# Altium PCB PCB_3U_ADC.PCBDOC (part 1 of 5)
Units mil, origin at the board's own origin, x right, y up, seen from the top; angles counter-clockwise.
Board outline 6299 x 3937 mil, 4 copper layers (Top, MP(GND), L3, Bot), stack 64.881 mil thick; 530 components, 318 nets, 1631 pads, 746 vias.
Unrouted connection lines stored in the file: 1.
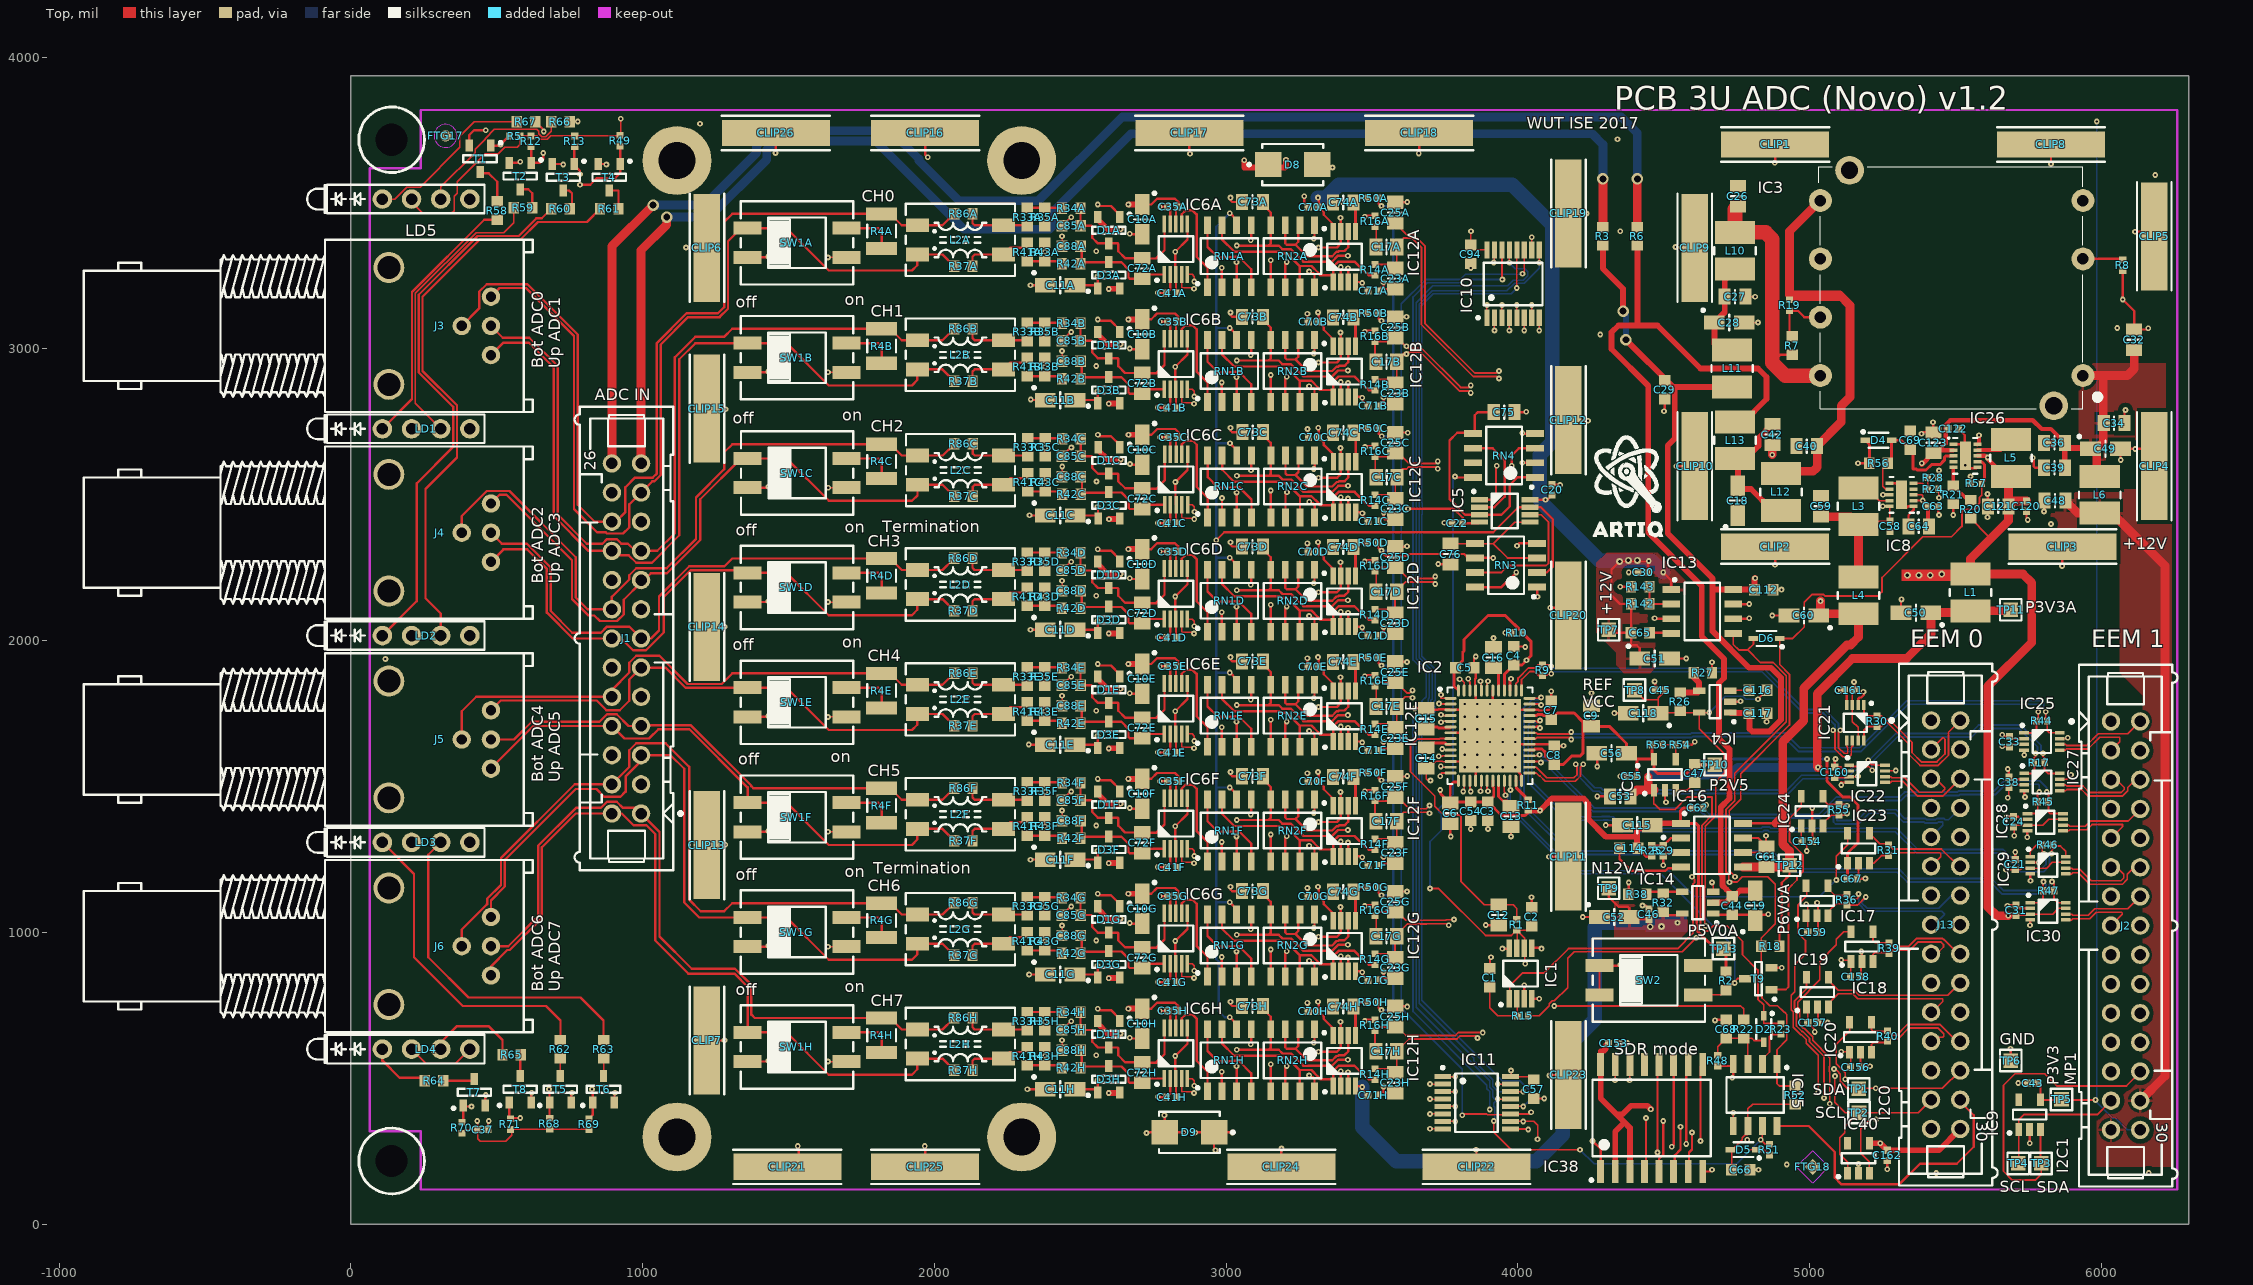
[diagram p0: Top view]
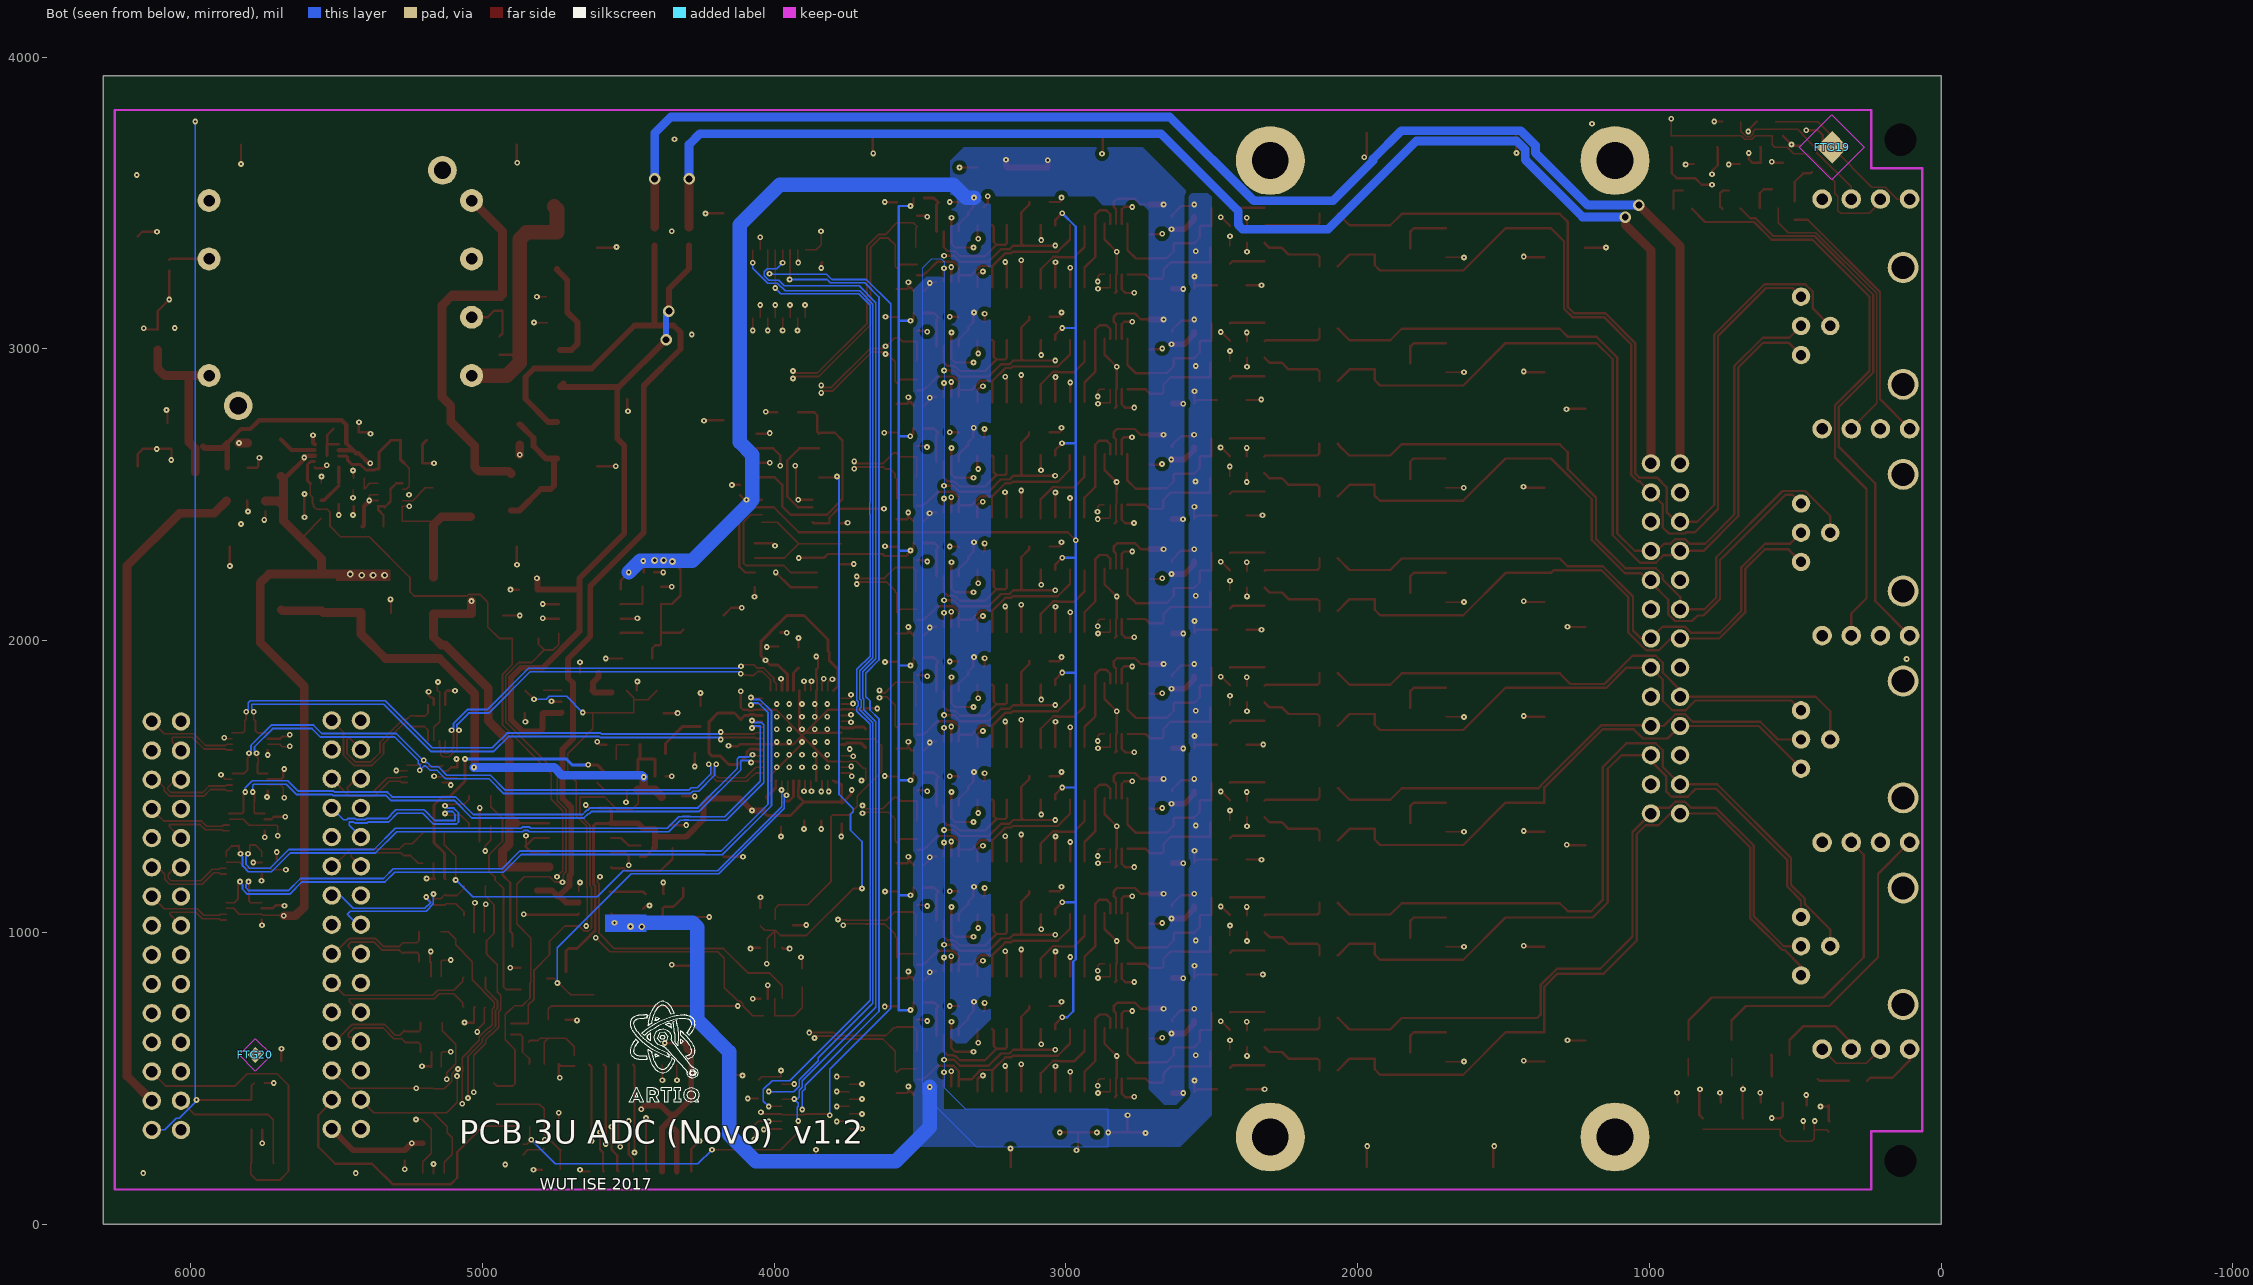
[diagram p1: Bot view, seen from below]
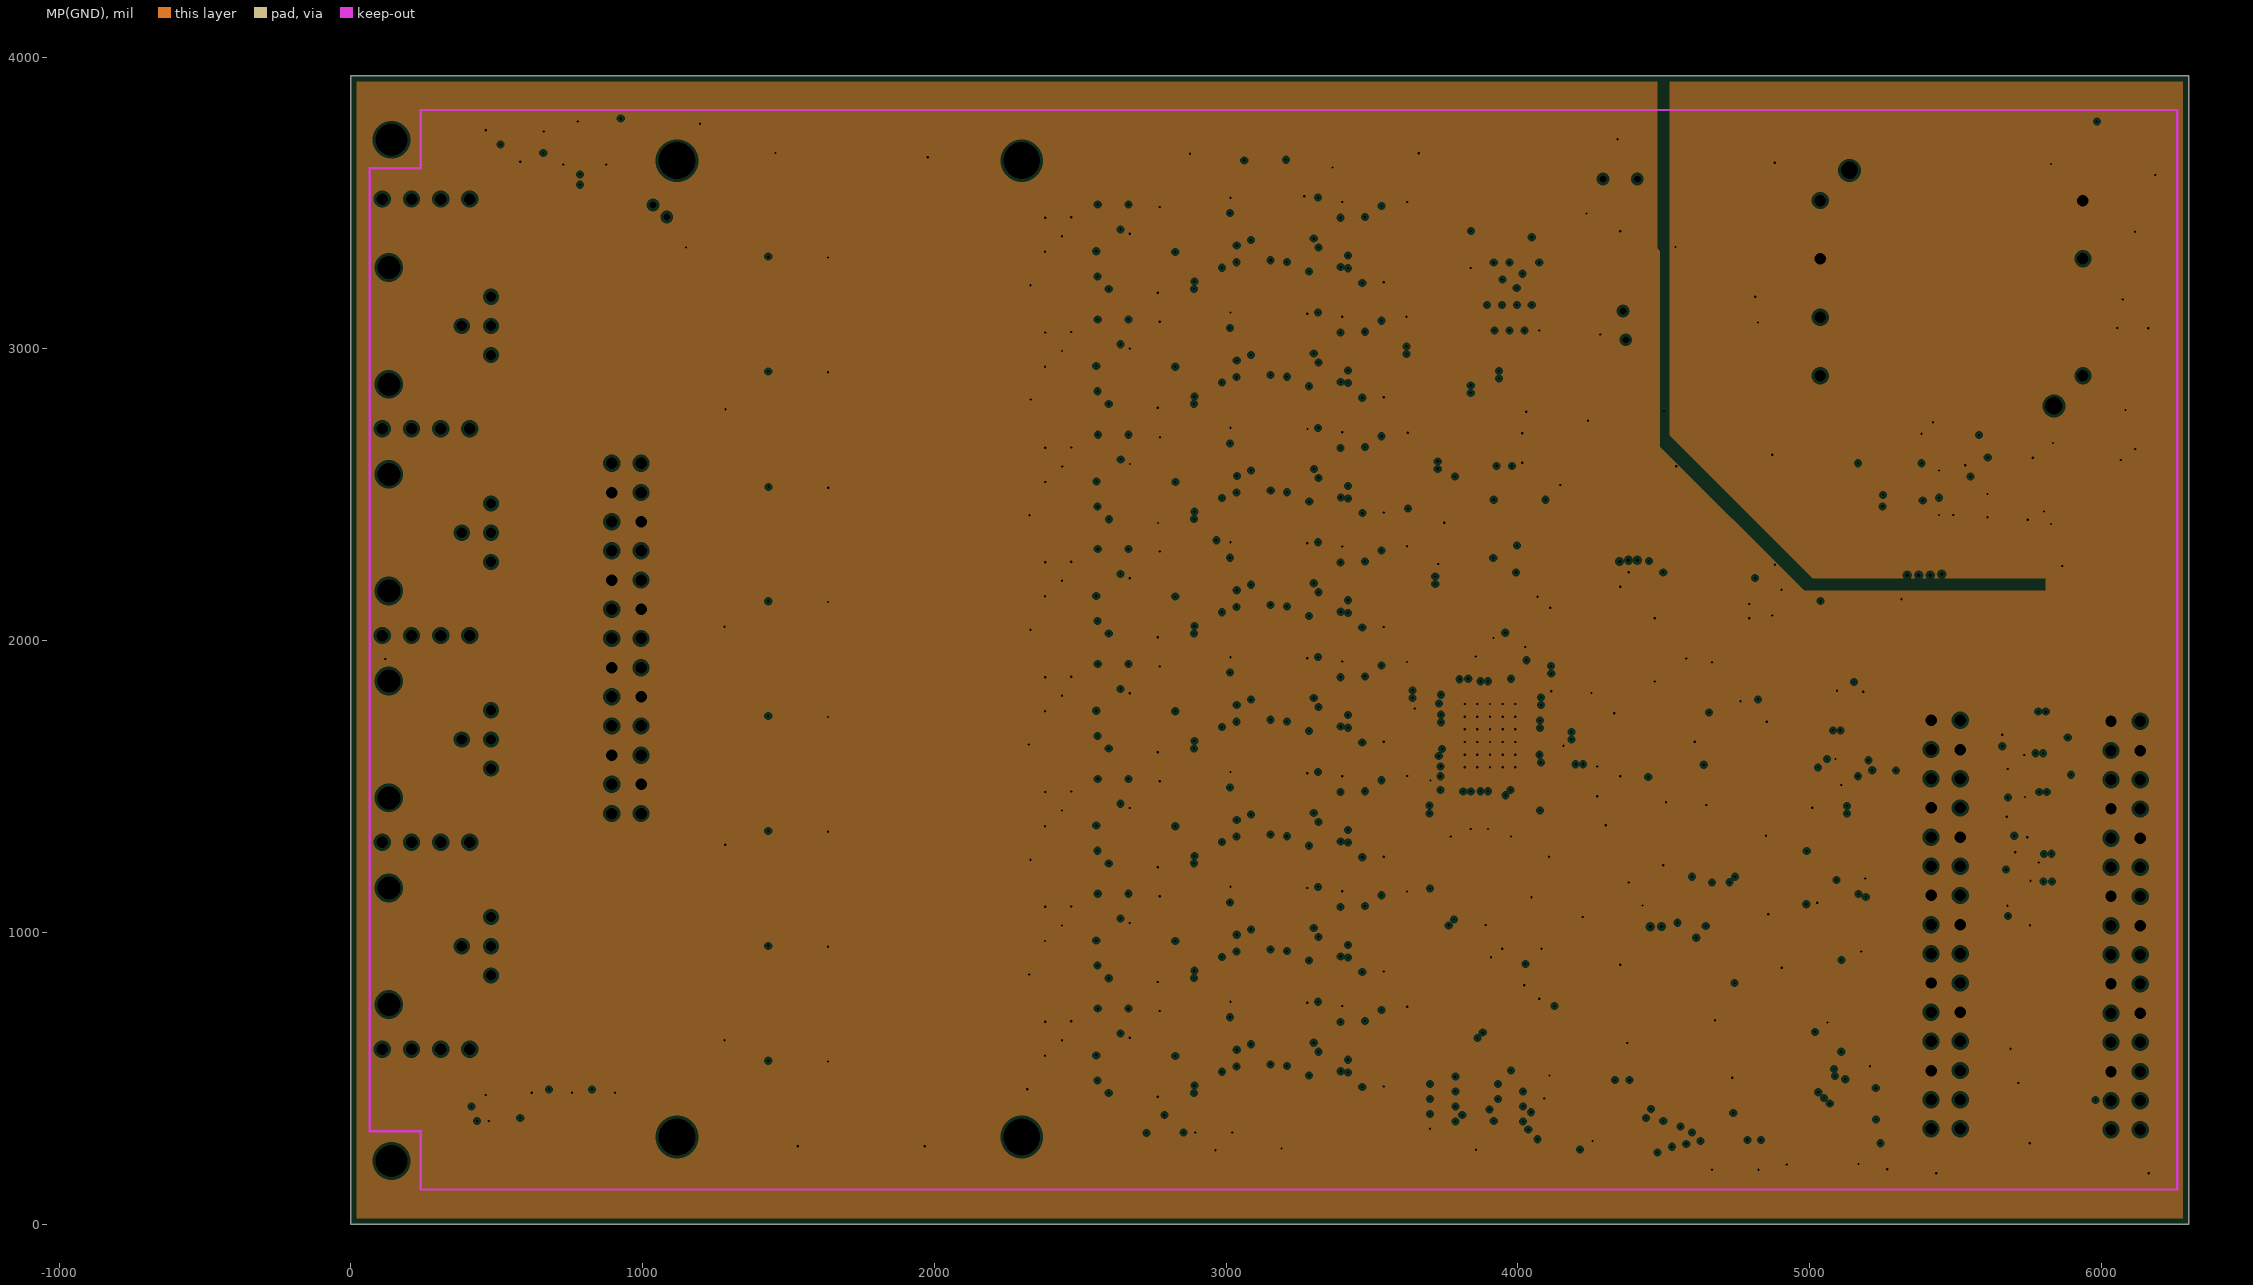
[diagram p2: MP(GND), clearances drawn from the general rule]
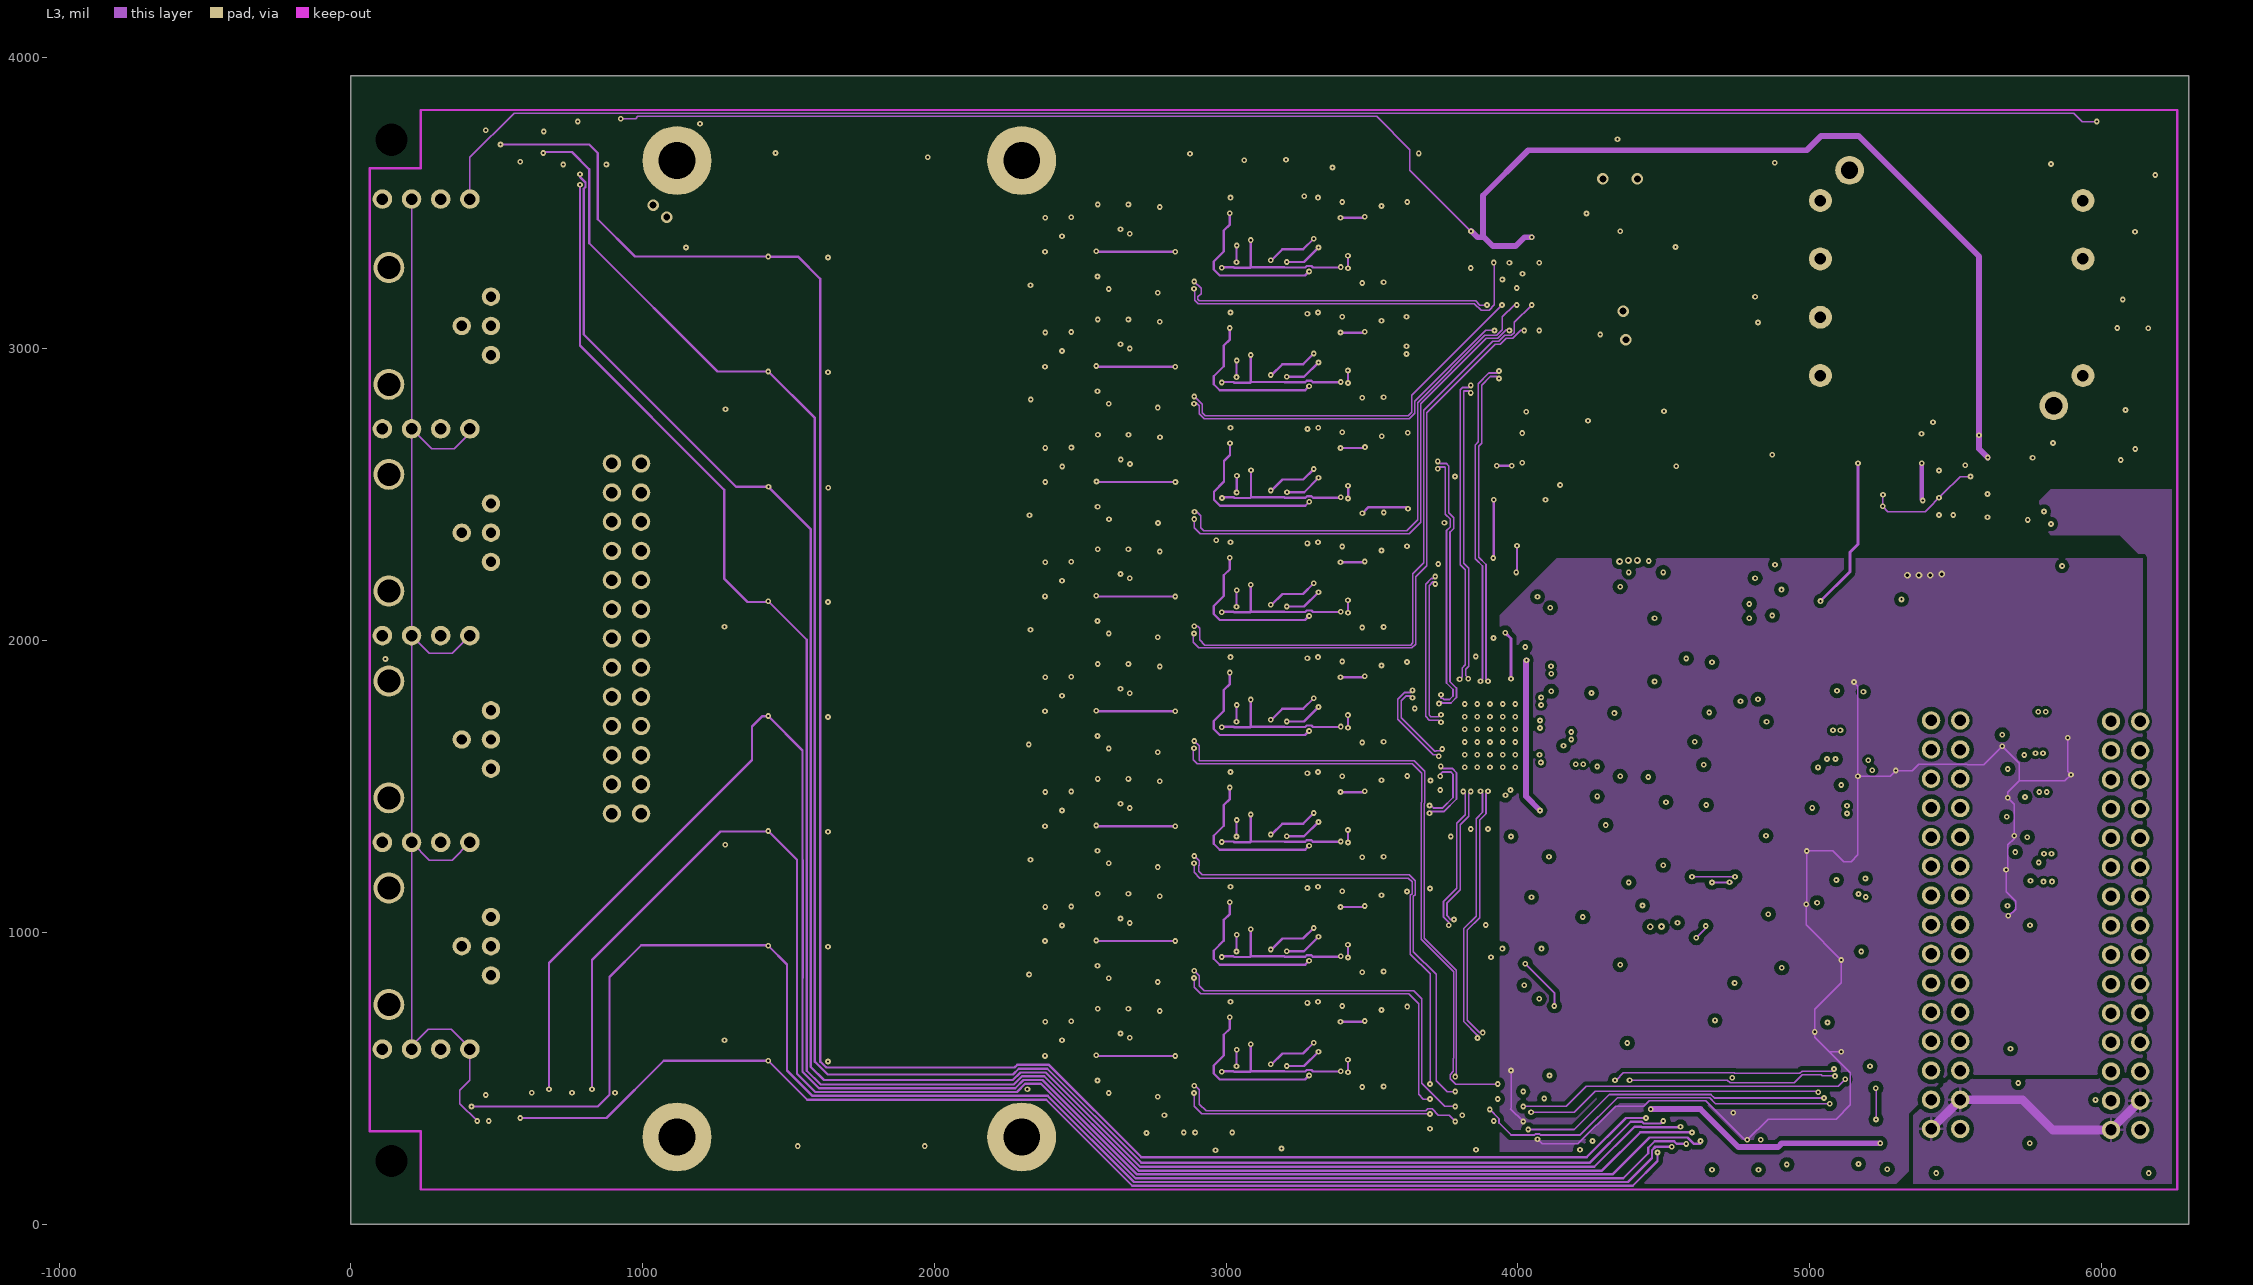
[diagram p3: L3]
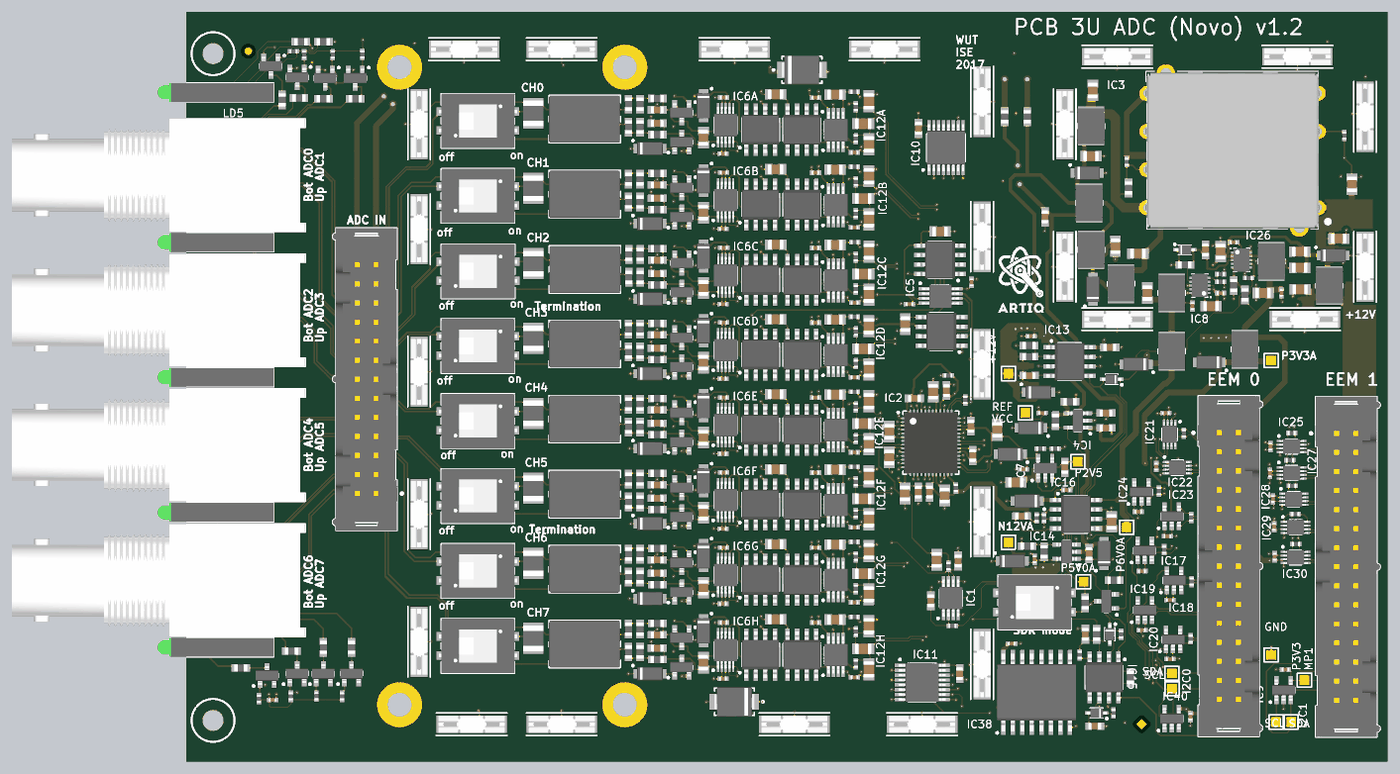
[diagram p8: 3D render of the assembled board from above, using the file's embedded part models]

## Layer stack, top to bottom
TopSolder: solder mask 0.4, Solder Resist, Dk 3.5
Top: signal copper 2.2835
Dielectric1: core 7.0866, FR-4, Dk 4.8
MP(GND): plane copper 1.4169, net GND
Dielectric 3: prepreg 43.3071, Dk 4.2
L3: signal copper 1.4169
Dielectric2: core 7.0866, FR-4, Dk 4.2
Bot: signal copper 2.2835
BottomSolder: solder mask 0.4, Solder Resist, Dk 3.5

## Board outline
0,0 6299,0 6299,3937 0,3937

## Design rules (kind name [scope] priority, off if disabled: settings)
Clearance Clearance_DIFF [(InDifferentialPairClass('All Differential Pairs'))] p1: gap=5 except(10: Arc-Poly Track-Poly SMDPad-Poly THPad-Poly Via-Poly Fill-Poly Poly-Poly Poly-Region Poly-Text)
Clearance [All] p2: gap=5 except(15: Arc-Poly Track-Poly SMDPad-Poly THPad-Poly Via-Poly Fill-Poly Poly-Poly)
ComponentClearance [All] p1 off: gap=10 collisioncheckmode=3 verticalgap=10 showdistances=FALSE
DiffPairsRouting [All] p1: maxlimit=7 minlimit=6 mostfreqgap=6 toplayer_minwidth=6 toplayer_maxwidth=6 toplayer_prefwidth=6 midlayer1_minwidth=6 midlayer1_maxwidth=6 midlayer1_prefwidth=6 bottomlayer_minwidth=6 bottomlayer_maxwidth=6 bottomlayer_prefwidth=6 maxuncoupledlength=500
FabricationTestPointUsage TestPointUsage [All] p1: valid=0 allowmultiple=FALSE
FabricationTestpoint Testpoint [All] p1: side=3 testpointundercomponent=TRUE minsize=40 maxsize=100 preferedsize=60 minholesize=20 maxholesize=40 preferedholesize=32 testpointgrid=1 allowsidetop=TRUE allowsidebottom=TRUE usegrid=TRUE gridtolerance=0.01
Height [All] p1 off: minheight=0 maxheight=1000 prefheight=500
HoleSize [All] p1: absolutevalues=TRUE maxlimit=150 minlimit=1 maxpercent=80.000 minpercent=20.000
HoleToHoleClearance [All] p1: gap=1 allowstackedmicrovias=TRUE
MinimumSolderMaskSliver [All] p1: minsoldermaskwidth=0
PlaneClearance [All] p1: clearance=10
PlaneConnect [All] p1: planeconnectstyle=Direct reliefexpansion=20 reliefentries=4 reliefconductorwidth=10 reliefairgap=10
PolygonConnect PolygonConnect_pad [(InPadClass('All Pads'))] p1: connectstyle=Relief reliefconductorwidth=10 reliefentries=4 polygonreliefangle="90 Angle" airgapwidth=10
PolygonConnect [All] p2: connectstyle=Direct reliefconductorwidth=10 reliefentries=4 polygonreliefangle="45 Angle" airgapwidth=10
RoomDefinition U_LVDS_EEM1 [InComponentClass('U_LVDS_EEM1')] p1 off: confinementstyle=ConfineIn formatcopy=TRUE lockcomponents=FALSE outline 5639.76,0 6299.21,0 6299.21,2145.67 5639.76,2145.67
RoomDefinition U_LVDS_EEM0 [InComponentClass('U_LVDS_EEM0')] p2 off: confinementstyle=ConfineIn formatcopy=TRUE lockcomponents=FALSE outline 5639.76,2149.59 4862.2,2149.59 4862.2,0 5639.76,0
RoomDefinition U_Input_channel1 [InComponentClass('U_Input_channel1')] p3 off: confinementstyle=ConfineIn formatcopy=TRUE lockcomponents=FALSE outline 1023.62,3169.29 3622.05,3169.29 3622.05,3543.31 1023.62,3543.31
RoomDefinition U_Input_channel2 [InComponentClass('U_Input_channel2')] p4 off: confinementstyle=ConfineIn formatcopy=TRUE lockcomponents=FALSE outline 1023.62,2775.59 3622.05,2775.59 3622.05,3149.61 1023.62,3149.61
RoomDefinition U_Input_channel3 [InComponentClass('U_Input_channel3')] p5 off: confinementstyle=ConfineIn formatcopy=TRUE lockcomponents=FALSE outline 1024.12,2380.17 3622.54,2380.17 3622.54,2754.18 1024.12,2754.18
RoomDefinition U_Input_channel4 [InComponentClass('U_Input_channel4')] p6 off: confinementstyle=ConfineIn formatcopy=TRUE lockcomponents=FALSE outline 1023.62,1988.19 3622.05,1988.19 3622.05,2362.2 1023.62,2362.2
RoomDefinition U_Input_channel6 [InComponentClass('U_Input_channel6')] p7 off: confinementstyle=ConfineIn formatcopy=TRUE lockcomponents=FALSE outline 1023.62,1200.79 3622.05,1200.79 3622.05,1574.8 1023.62,1574.8
RoomDefinition U_Input_channel8 [InComponentClass('U_Input_channel8')] p8 off: confinementstyle=ConfineIn formatcopy=TRUE lockcomponents=FALSE outline 1023.62,413.39 3622.05,413.39 3622.05,787.4 1023.62,787.4
RoomDefinition U_Supply [InComponentClass('U_Supply')] p9 off: confinementstyle=ConfineIn formatcopy=TRUE lockcomponents=FALSE outline 3817,2261.83 6218,2261.83 6218,3787 3817,3787
RoomDefinition U_Input_channel5 [InComponentClass('U_Input_channel5')] p10 off: confinementstyle=ConfineIn formatcopy=TRUE lockcomponents=FALSE outline 1023.62,1594.49 3622.05,1594.49 3622.05,1968.5 1023.62,1968.5
RoomDefinition U_ADC_8CH [InComponentClass('U_ADC_8CH')] p11 off: confinementstyle=ConfineIn formatcopy=TRUE lockcomponents=FALSE outline 3044.71,1390 3726,1390 3726,2528.83 3044.71,2528.83
RoomDefinition PCB_3U_ADC [InComponentClass('PCB_3U_ADC')] p12 off: confinementstyle=ConfineIn formatcopy=TRUE lockcomponents=FALSE outline 157.48,163.98 -39.37,163.98 -39.37,3126.58 157.48,3126.58
RoomDefinition U_Input_channel7 [InComponentClass('U_Input_channel7')] p13 off: confinementstyle=ConfineIn formatcopy=TRUE lockcomponents=FALSE outline 1023.62,807.09 3622.05,807.09 3622.05,1181.1 1023.62,1181.1
RoutingVias [All] p1: holewidth=7.87 width=19.68 viastyle="Through Hole" minholewidth=7.87 minwidth=19.68 maxholewidth=28 maxwidth=50
SilkToSilkClearance [All] p1: silktosilkclearance=0
SilkToSolderMaskClearance SilkscreenOverComponentPads [IsPad] p1: minsilkscreentomaskgap=0 clearancetoexposedcopper=TRUE
SolderMaskExpansion [All] p1: expansion=2
Width [All] p1: maxlimit=50 minlimit=5 preferedwidth=5
18 further rules are at their usual default settings.

## Classes and differential pairs
component class U_LVDS_EEM1: C21 C24 C31 C33 C37 C38 C43 IC9 IC25 IC27 IC28 IC29 IC30 J2 R17 R44 R45 R46 R47 TP3 TP4 TP5 TP6
net class TERM_STAT[7..0]: TERM_STAT0 TERM_STAT1 TERM_STAT2 TERM_STAT3 TERM_STAT4 TERM_STAT5 TERM_STAT6 TERM_STAT7
channel class Input_channel: U_Input_channel1 U_Input_channel2 U_Input_channel3 U_Input_channel4 U_Input_channel5 U_Input_channel6 U_Input_channel7 U_Input_channel8
component class U_Supply: C18 C19 C26 C27 C28 C29 C30 C32 C34 C36 C39 C40 C42 C44 C45 C46 C47 C48 C49 C50 C51 C52 C53 C55 C56 C58 C59 C60 C61 C62 C63 C64 C65 C66 C68 C69 C112 C114 C115 C116 C117 C118 C120 C121 C122 C123 D2 D4 D5 D6 D8 D9 IC3 IC4 IC7 IC8 IC13 IC14 IC15 IC16 IC26 L1 L3 L4 L5 L6 L10 L11 L12 L13 R7 R8 R18 R19 R20 R21 R22 R23 R24 R25 R26 R27 R28 R29 R32 R38 R48 R51 R52 R53 R54 R56 R57 R142 R143 TP7 TP8 TP9 TP10 TP11 TP12 TP13
component class U_Input_channel8: C10H C11H C17H C23H C25H C35H C41H C70H C71H C72H C73H C74H C85H C88H D1H D3H IC6H IC12H L2H R4H R14H R16H R33H R34H R35H R37H R41H R42H R43H R50H R86H RN1H RN2H SW1H
component class U_Input_channel7: C10G C11G C17G C23G C25G C35G C41G C70G C71G C72G C73G C74G C85G C88G D1G D3G IC6G IC12G L2G R4G R14G R16G R33G R34G R35G R37G R41G R42G R43G R50G R86G RN1G RN2G SW1G
component class U_Input_channel6: C10F C11F C17F C23F C25F C35F C41F C70F C71F C72F C73F C74F C85F C88F D1F D3F IC6F IC12F L2F R4F R14F R16F R33F R34F R35F R37F R41F R42F R43F R50F R86F RN1F RN2F SW1F
component class U_Input_channel5: C10E C11E C17E C23E C25E C35E C41E C70E C71E C72E C73E C74E C85E C88E D1E D3E IC6E IC12E L2E R4E R14E R16E R33E R34E R35E R37E R41E R42E R43E R50E R86E RN1E RN2E SW1E
component class U_Input_channel4: C10D C11D C17D C23D C25D C35D C41D C70D C71D C72D C73D C74D C85D C88D D1D D3D IC6D IC12D L2D R4D R14D R16D R33D R34D R35D R37D R41D R42D R43D R50D R86D RN1D RN2D SW1D
component class U_Input_channel3: C10C C11C C17C C23C C25C C35C C41C C70C C71C C72C C73C C74C C85C C88C D1C D3C IC6C IC12C L2C R4C R14C R16C R33C R34C R35C R37C R41C R42C R43C R50C R86C RN1C RN2C SW1C
component class U_Input_channel2: C10B C11B C17B C23B C25B C35B C41B C70B C71B C72B C73B C74B C85B C88B D1B D3B IC6B IC12B L2B R4B R14B R16B R33B R34B R35B R37B R41B R42B R43B R50B R86B RN1B RN2B SW1B
component class U_Input_channel1: C10A C11A C17A C23A C25A C35A C41A C70A C71A C72A C73A C74A C85A C88A D1A D3A IC6A IC12A L2A R4A R14A R16A R33A R34A R35A R37A R41A R42A R43A R50A R86A RN1A RN2A SW1A
component class U_ADC_8CH: C1 C2 C3 C4 C5 C6 C7 C8 C9 C12 C13 C14 C15 C16 C20 C22 C54 C75 C76 IC1 IC2 IC5 R1 R2 R9 R10 R11 R15 RN3 RN4 SW2 T9
component class PCB_3U_ADC: C57 C94 CLIP1 CLIP2 CLIP3 CLIP4 CLIP5 CLIP6 CLIP7 CLIP8 CLIP9 CLIP10 CLIP11 CLIP12 CLIP13 CLIP14 CLIP15 CLIP16 CLIP17 CLIP18 CLIP19 CLIP20 CLIP21 CLIP22 CLIP23 CLIP24 CLIP25 CLIP26 FTG17 FTG18 FTG19 FTG20 IC10 IC11 J1 J3 J4 J5 J6 LD1 LD2 LD3 LD4 LD5 R3 R5 R6 R12 R13 R49 R58 R59 R60 R61 R62 R63 R64 R65 R66 R67 R68 R69 R70 R71 T1 T2 T3 T4 T5 T6 T7 T8
component class U_LVDS_EEM0: C67 C153 C154 C156 C157 C158 C159 C160 C161 C162 IC17 IC18 IC19 IC20 IC21 IC22 IC23 IC24 IC38 IC40 J13 R30 R31 R36 R39 R40 R55 TP1 TP2
differential pair EEM1_7: +EEM1_7_P -EEM1_7_N
differential pair EEM1_6: +EEM1_6_P -EEM1_6_N
differential pair EEM1_5: +EEM1_5_P -EEM1_5_N
differential pair EEM1_4: +EEM1_4_P -EEM1_4_N
differential pair EEM1_3: +EEM1_3_P -EEM1_3_N
differential pair EEM1_2: +EEM1_2_P -EEM1_2_N
differential pair EEM1_1: +EEM1_1_P -EEM1_1_N
differential pair EEM1_0: +EEM1_0_P -EEM1_0_N
differential pair EEM0_7: +EEM0_7_P -EEM0_7_N
differential pair EEM0_6: +EEM0_6_P -EEM0_6_N
differential pair EEM0_5: +EEM0_5_P -EEM0_5_N
differential pair EEM0_4: +EEM0_4_P -EEM0_4_N
differential pair EEM0_3: +EEM0_3_P -EEM0_3_N
differential pair EEM0_2: +EEM0_2_P -EEM0_2_N
differential pair EEM0_1: +EEM0_1_P -EEM0_1_N
differential pair EEM0_0: +EEM0_0_P -EEM0_0_N
differential pair ADC_CLKOUT: +ADC_CLKOUT_P -ADC_CLKOUT_N
differential pair ADC_SCK: +ADC_SCK_P -ADC_SCK_N
differential pair ADC_SDOA: +ADC_SDOA_P -ADC_SDOA_N
differential pair ADC_SDOB: +ADC_SDOB_P -ADC_SDOB_N
differential pair ADC_SDOC: +ADC_SDOC_P -ADC_SDOC_N
differential pair ADC_SDOD: +ADC_SDOD_P -ADC_SDOD_N
differential pair IN_0: +IN_0_P -IN_0_N
differential pair IN_1: +IN_1_P -IN_1_N
differential pair IN_2: +IN_2_P -IN_2_N
differential pair IN_3: +IN_3_P -IN_3_N
differential pair IN_4: +IN_4_P -IN_4_N
differential pair IN_5: +IN_5_P -IN_5_N
differential pair IN_6: +IN_6_P -IN_6_N
differential pair IN_7: +IN_7_P -IN_7_N
